# Allegro board RK3588S_Template_LP5D315P232SD10H2_42x42_2750MHz_1R2_V10_20220413YWQ.brd (continued)
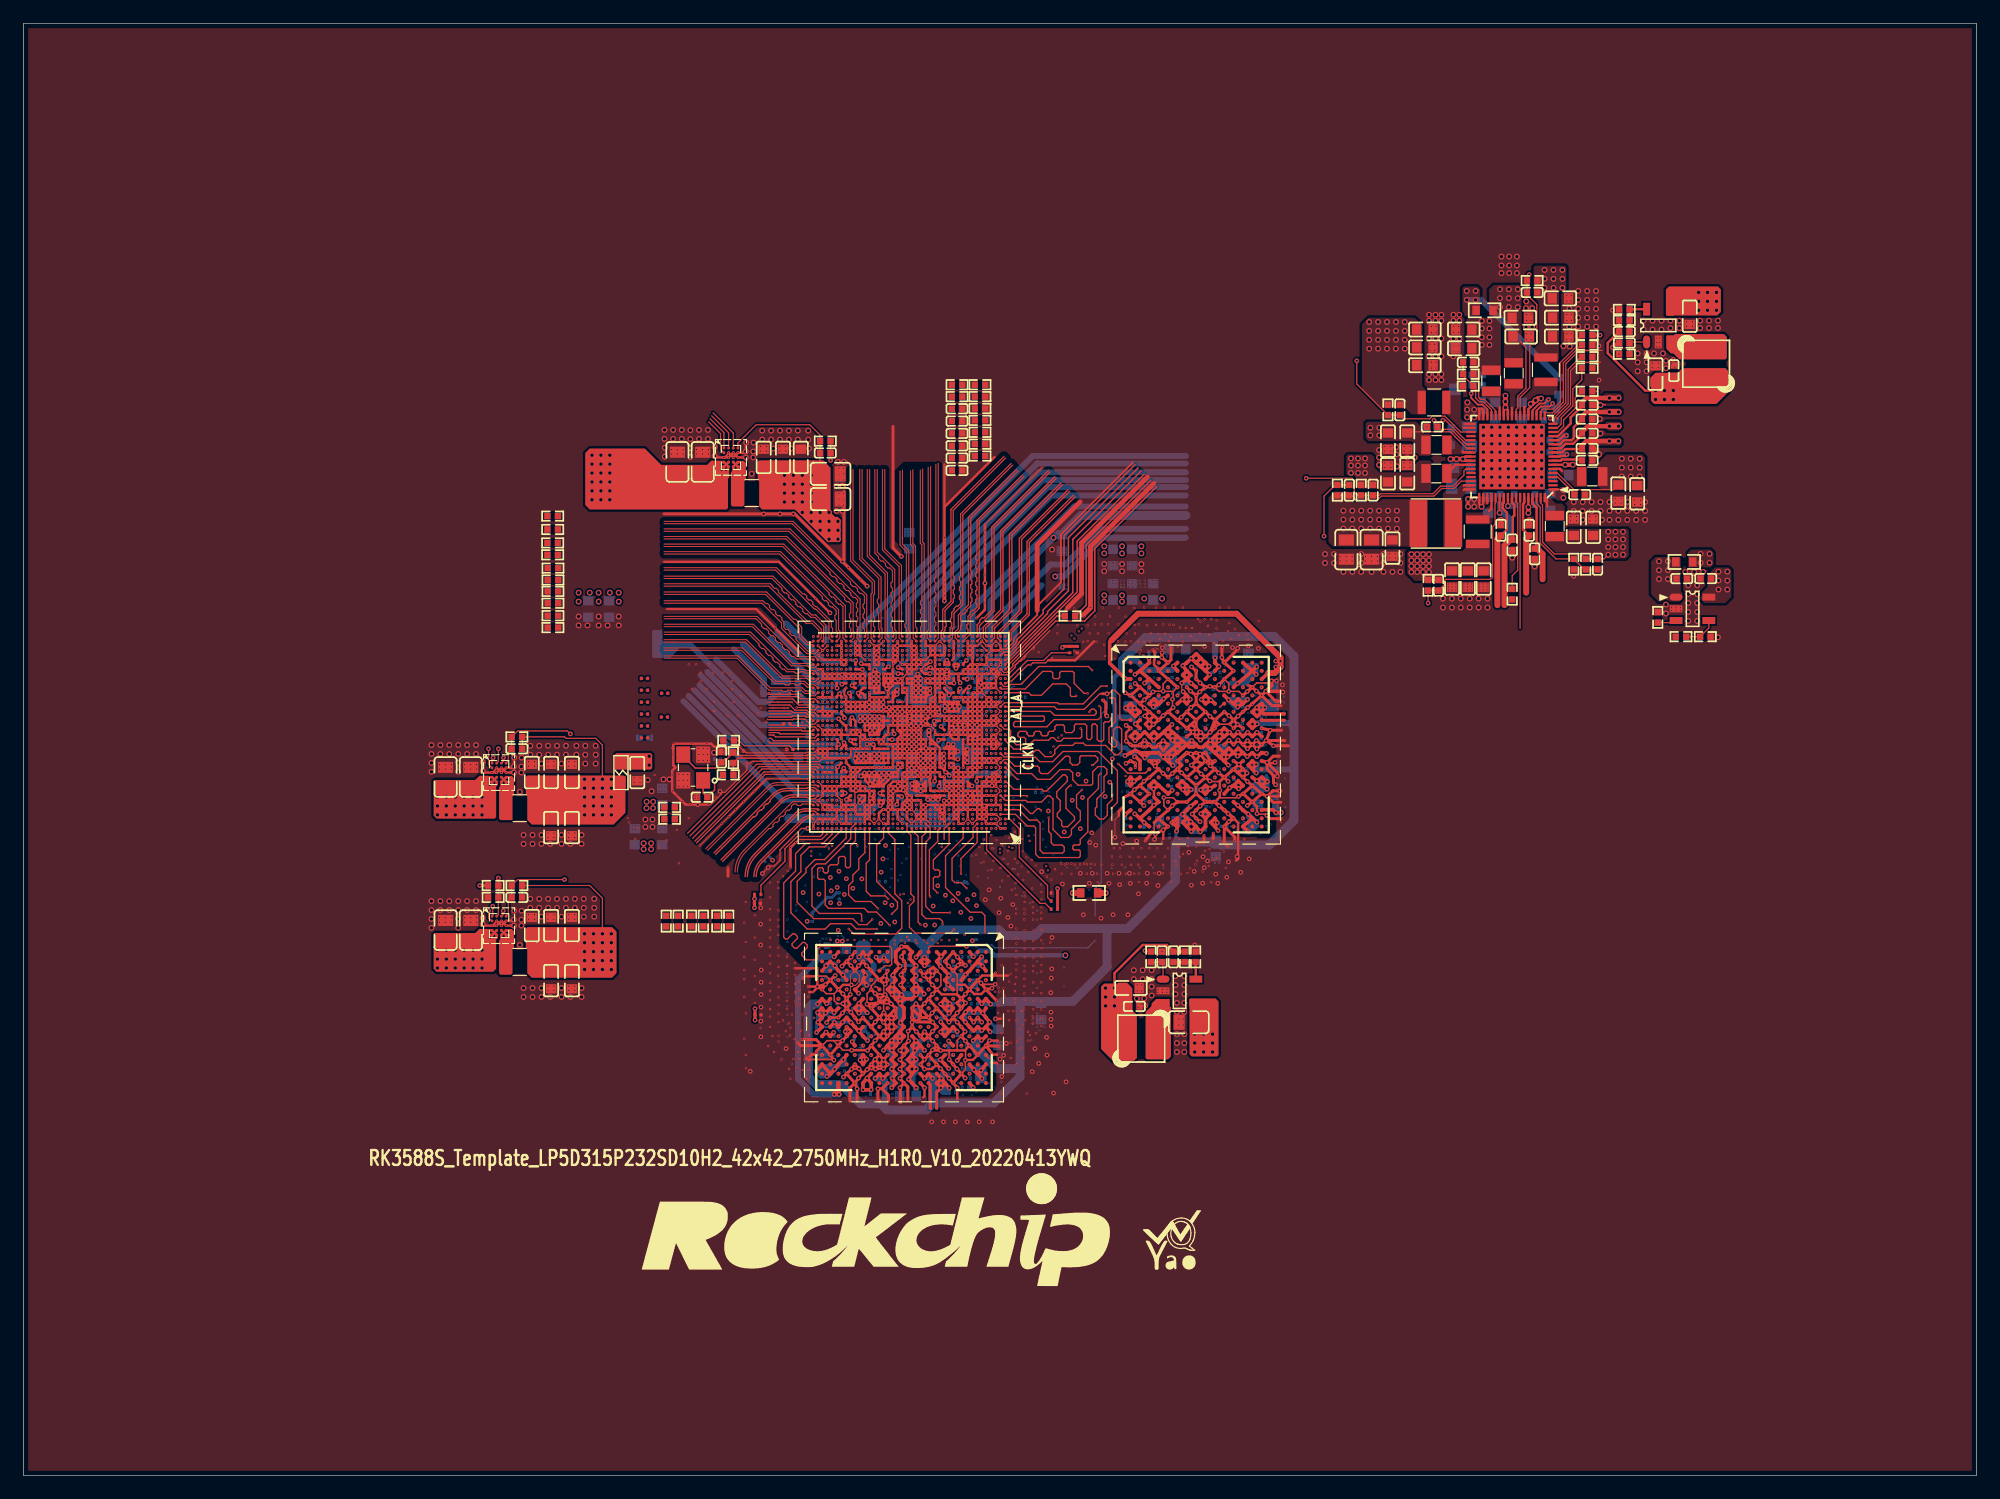
[diagram p0: board, top side]
## Routing (per net, layer and track width the routed paths; a pad name or vN(x,y) marks a point on that pad's centre or on a via; arc(x,y) is an arc through that point) (continued)
 69.89,63.33 69.89,62.95 v3(69.89,62.95) ; v3(79.89,60.1) v3(80.34,60.1) ; v3(79.89,60.1) v3(79.89,59.3) ; v3(79.89,60.1) v3(79.49,60.1) ; v3(80.34,60.1) 80.29,60.05 v3(80.29,59.7) ; v1(80.47,35.49) 80.5,35.52 81.11,35.52 v7(81.54,35.94) ; v3(80.69,63.7) v3(80.69,64.5) ; v3(80.69,63.7) v3(80.69,63.3) ; v3(80.69,63.7) v3(80.29,63.7) ; v3(81.09,57.3) v3(80.69,57.3) ; v3(81.09,57.3) v3(81.49,57.3) ; v3(80.69,57.3) v3(80.69,56.9) v3(80.69,56.1) ; v3(81.49,56.5) v3(81.49,56.9) v3(81.49,57.3) ; v3(81.49,56.5) 81.49,56.5 v3(82.69,56.5) ; v1(77.06,64.87) v1(77.06,64.47) ; v1(77.06,64.87) 77.04,64.9 U1000.AE19 ; v1(77.06,64.87) 77.09,64.9 v1(77.49,64.9) ; v1(77.06,64.47) 77.49,64.89 v1(77.49,64.9) ; v1(77.06,64.47) 77.06,64.13 v3(77.09,64.1) ; v1(77.06,64.47) 77.43,64.1 ; v1(77.06,64.47) 77.03,64.5 v7(76.69,64.5) ; v3(65.54,51.98) v3(65.54,53.66) v3(65.97,54.09) ; v1(77.49,64.9) v3(77.89,64.9) ; v1(77.49,64.9) v7(77.49,65.3) ; 76.43,59.72 v7(76.41,59.7) v7(75.89,59.7) ; 76.43,59.72 76.4,59.74 v1(76.4,60.05) ; 76.43,59.72 76.68,59.72 v7(76.69,59.7) ; v3(82.29,67.7) v3(82.29,67.3) ; v3(82.29,67.3) v3(81.55,67.3) 81.49,67.36 ; v3(71.49,60.5) 71.49,60.3 71.29,60.1 v3(71.09,60.1) ; v3(71.49,60.5) v7(71.09,60.5) ; v3(71.49,60.5) v7(71.89,60.5) v3(72.29,60.5) v3(72.69,60.5) v3(73.09,60.5) v3(73.49,60.5) v3(73.89,60.5) v3(74.29,60.5) v7(74.29,60.9) v3(74.29,61.3) ; v3(73.49,62.9) 73.49,63.1 73.7,63.3 v3(73.89,63.3) v7(73.89,64.1) v7(74.29,64.1) ; v3(73.49,62.9) v3(72.29,62.9) v3(71.89,62.9) ; v3(75.09,67.7) v3(75.09,68.1) 74.57,68.1 ; v3(75.09,67.7) v3(75.09,67.3) ; v7(68.69,68.1) v7(69.09,68.1) ; v7(68.69,68.1) v7(68.69,68.5) ; v7(68.69,68.1) v7(68.29,68.1) v7(68.29,68.5) ; v7(69.09,68.1) v3(69.49,68.1) ; v3(71.09,63.7) v3(71.49,63.7) v3(71.49,62.9) ; v3(71.09,63.7) 71.09,63.32 71.07,63.3 ; 82.23,56.16 82.3,56.23 v3(82.3,56.5) v3(82.3,56.9) ; 82.23,56.16 v1(82.23,56.13) 82.23,55.77 U1000.B5 82.29,55.7 v7(82.68,55.7) v3(83.1,55.7) ; 93.59,56.38 93.59,56.76 94.01,57.18 94.01,57.93 ; v3(75.89,63.7) v7(75.49,63.7) ; v3(75.89,63.7) 75.89,64.01 ; v3(75.89,63.7) v1(75.89,63.3) ; 82.37,57.3 82.3,57.22 v3(82.3,56.9) ; 82.37,57.3 v3(81.49,57.3) ; v3(74.69,63.7) v7(74.69,64.1) ; v3(74.69,63.7) v3(75.09,63.3) ; v3(74.69,63.7) v3(75.09,63.7) ; v7(74.69,64.1) v7(74.29,64.1) ; v7(74.69,64.1) v7(74.69,64.5) ; v3(74.29,69.7) 74.29,69.47 v3(74.37,69.39) 74.68,69.7 ; v3(74.29,69.7) 74.68,69.7 ; v7(68.29,60.1) v7(68.69,60.1) v7(69.09,60.1) ; v3(79.89,63.7) v3(80.29,63.7) ; 71.89,65.78 v1(71.68,65.99) 71.49,65.8 ; 71.89,65.78 v3(71.89,65.7) ; 71.89,65.78 71.89,66.03 71.96,66.1 ; 77.49,61.33 U1000.T17 v1(77.49,60.9) ; 77.49,61.33 v3(77.47,61.35) 77.49,61.38 v7(77.49,61.7) ; 77.49,61.33 77.52,61.3 v3(77.89,61.3) ; 77.49,61.33 77.47,61.3 v3(77.09,61.3) ; v7(83.49,59.7) 83.07,59.7 ; 83.07,59.7 v7(83.06,59.69) ; v3(81.09,69.3) 80.9,69.3 80.69,69.1 v7(80.69,68.9) ; v3(81.09,69.3) v7(81.49,69.3) ; v3(81.09,69.3) v3(81.09,69.7) v3(81.09,70.1) ; v3(81.09,69.3) v3(81.09,68.5) ; v3(73.09,66.5) v3(72.69,66.5) ; v3(73.09,66.5) v3(73.49,66.5) ; v3(73.09,66.5) v3(73.09,66.1) ; v3(72.69,66.5) v3(72.29,66.5) ; v3(72.69,66.5) v3(72.69,66.13) U1000.AH29 ; 71.89,56.06 v7(71.89,56.5) ; 71.89,56.06 v7(71.89,55.7) ; 71.89,56.06 v7(71.93,56.1) v7(72.29,56.1) v7(72.29,56.5) ; v7(71.89,56.5) 71.13,56.5 v7(71.09,56.54) v3(71.09,56.9) ; v7(71.89,56.5) v7(72.29,56.5) ; v3(78.29,68.5) v3(78.29,68.1) v7(78.29,67.7) ; v3(78.29,68.5) v3(79.49,68.5) v3(79.89,68.5) ; v3(78.29,68.5) v3(77.89,68.5) ; v3(78.29,68.5) v3(78.29,68.9) ; v7(79.89,56.5) v7(79.49,56.5) ; v7(79.89,56.5) 79.89,56.89 v7(79.88,56.9) ; v7(80.69,68.9) v7(81.15,68.9) v7(81.48,68.9) 81.49,68.88 ; v7(75.49,64.1) v7(75.49,63.7) ; v7(75.49,64.1) U1000.AD22 ; v3(71.49,65.7) v3(71.09,65.7) ; v3(71.49,65.7) 71.49,65.8 ; v3(71.49,65.7) v3(71.49,65.3) ; v3(71.49,65.7) v3(71.89,65.7) ; v3(71.09,65.7) v3(71.09,65.3) ; v3(71.09,65.7) 71.09,66.08 71.07,66.1 ; v3(81.49,58.9) 81.49,58.9 ; 81.49,58.9 82.25,58.9 ; 81.49,58.9 81.49,58.89 v3(81.49,58.5) ; v3(71.09,60.1) v3(70.69,60.1) ; v3(71.09,60.1) v7(71.09,60.5) ; v3(71.09,60.1) v3(71.09,59.7) ; v3(70.69,60.1) U1000.P34 ; v3(70.69,60.1) v3(70.69,59.7) ; v3(76.69,63.7) 76.66,63.73 v1(76.66,64.03) ; v3(82.29,62.9) v3(82.29,62.5) ; v7(77.89,60.5) v3(77.89,60.1) ; v7(77.89,60.5) v7(77.89,60.9) ; v3(77.89,60.1) v3(78.29,60.1) 78.29,59.76 78.35,59.7 v7(78.69,59.7) v3(78.69,59.3) ; v3(72.69,58.1) 72.6,58.1 v1(72.38,57.88) ; v3(72.69,58.1) v3(72.69,58.5) v3(72.29,58.5) ; v3(72.69,58.1) v3(72.69,57.7) ; v3(82.69,69.7) v7(82.36,69.7) 82.29,69.77 ; v7(75.89,61.7) 76.27,61.7 76.29,61.67 ; v7(75.89,61.7) v7(75.49,61.7) v7(75.09,61.7) ; v7(75.89,61.7) v3(75.89,61.3) ; v1(74.66,70.9) 74.69,70.94 ; v1(74.66,70.9) v7(74.29,70.9) v7(74.29,70.5) ; 74.69,70.94 v7(74.69,70.54) ; 74.69,70.94 v3(74.69,71.3) ; v7(83.49,62.5) v7(82.9,62.5) 82.87,62.53 82.86,62.53 82.84,62.5 v3(82.29,62.5) ; v7(75.09,62.1) v7(75.09,61.7) ; v7(81.09,62.5) v3(81.49,62.5) ; v7(81.09,62.5) v7(80.69,62.5) 80.69,63.22 ; v3(81.49,62.5) v3(82.29,62.5) ; v3(81.49,62.5) 81.49,63.15 ; v7(76.69,65.3) v7(76.29,65.3) ; v7(76.69,65.3) U1000.AE19 ; v7(76.69,65.3) v1(77.09,65.3) ; v7(76.69,65.3) v3(76.69,65.7) ; v7(76.29,65.3) v3(75.89,65.3) ; v7(76.29,65.3) v3(76.29,65.7) ; v3(77.89,65.7) v3(77.89,66.1) ; v3(77.89,65.7) v7(77.89,65.3) ; v3(77.89,65.7) v3(77.49,65.7) ; v3(71.49,62.1) v7(71.49,62.48) v3(71.49,62.9) ; v3(71.49,62.1) v3(71.09,62.1) v7(70.72,62.1) U1000.V34 ; v3(71.49,62.1) v3(72.29,62.1) ; v3(72.69,57.7) 72.55,57.7 v1(72.38,57.88) ; v1(79.1,57.66) 79.1,58.09 ; 82.63,68.5 v7(82.69,68.5) v7(83.09,68.5) ; 82.63,68.5 82.69,68.57 v7(82.69,68.9) v7(83.09,68.9) v7(83.09,68.5) ; v3(76.69,62.5) v1(76.29,62.5) ; v3(75.89,68.9) v3(75.49,68.9) ; v3(75.89,68.9) v3(76.29,68.9) v3(76.29,69.3) ; 75.89,64.01 v3(75.89,65.3) ; v3(71.09,65.3) v3(71.49,65.3) ; v7(75.89,70.5) v7(76.29,70.5) ; v7(75.89,70.5) v7(75.89,70.1) ; v3(69.49,68.1) v3(70.29,68.1) ; v3(70.29,68.1) v7(70.29,68.5) ; v1(73.96,65.63) 73.96,65.37 v7(73.89,65.3) ; v1(73.96,65.63) 74.23,65.63 v3(74.29,65.7) ; v1(73.96,65.63) 73.53,65.63 v1(73.51,65.66) ; v7(74.29,70.5) 74.66,70.5 v7(74.69,70.54) ; v7(82.29,70.9) v7(82.69,70.9) v3(82.69,70.5) v7(83.09,70.5) 83.1,70.51 v7(83.49,70.51) v7(83.49,70.9) ; v1(76.29,62.5) v1(76.29,62.9) ; v1(76.29,62.5) v1(75.89,62.5) ; v7(75.49,62.5) v7(75.49,62.9) ; v7(75.49,62.5) v1(75.89,62.5) ; v7(68.69,57.3) v7(68.69,56.9) ; v7(68.69,57.3) v7(69.09,57.3) v3(69.09,56.9) ; v7(68.69,57.3) v7(68.29,57.3) v7(68.29,56.9) v7(68.69,56.9) ; v7(68.69,56.9) v3(69.09,56.9) ; 79.78,41.94 80.44,41.94 v7(80.84,41.54) 81.23,41.15 81.85,41.15 v3(82.24,41.54) ; v7(68.69,65.3) v7(68.69,64.9) ; v7(83.06,59.69) 83.06,59.33 v7(83.09,59.3) 83.09,58.9 U1000.K3 ; v7(75.49,62.9) v7(75.49,63.3) ; v7(75.49,62.9) v7(75.09,62.9) ; v7(75.49,62.9) v1(76.29,62.9) ; v7(81.09,66.1) v3(81.09,66.5) ; v7(81.09,66.1) 80.74,66.1 v7(80.69,66.15) ; v3(79.89,64.9) v3(79.49,64.9) ; v7(82.69,66.1) v7(83.49,66.1) ; v7(82.69,66.1) 82.69,66.49 v3(82.69,66.5) v3(82.29,66.5) ; v7(82.69,66.1) v7(82.29,66.1) ; v7(82.69,66.1) v7(82.69,65.7) ; v7(79.88,57.28) v7(79.88,56.9) ; v3(79.38,69.67) 79.49,69.79 v7(79.49,70.1) v7(79.49,70.5) v7(79.49,70.9) v7(79.49,71.3) ; v7(76.69,56.1) v7(76.69,55.7) ; v7(76.69,56.1) v3(76.29,56.1) 76.29,56.42 76.37,56.5 v7(76.69,56.5) ; v7(76.69,56.1) v7(76.69,56.5) ; v7(76.69,56.1) v7(77.09,56.1) v7(77.09,56.5) ; v3(81.89,63.7) v3(81.49,63.7) ; v3(81.89,63.7) v7(81.89,64.1) ; v3(81.49,63.7) v3(81.49,63.3) ; v3(81.49,63.7) 81.49,64.18 ; v7(70.69,66.1) 71.07,66.1 ; v7(70.69,66.1) v7(70.29,66.1) ; 71.07,66.1 v7(71.09,66.1) 71.45,66.1 ; v7(82.29,66.1) U1000.AJ5 ; v7(82.29,66.1) v7(82.29,65.7) ; v7(82.29,66.1) v3(81.86,66.1) ; v7(105,57.56) 105.4,57.16 v1(105.4,56.56) ; v3(81.49,57.3) v3(81.49,58.5) ; v7(75.49,63.3) v1(75.89,63.3) ; v7(75.49,63.3) v7(75.49,63.7) ; v7(75.49,63.3) v3(75.09,63.3) ; v3(74.29,61.3) v3(74.29,61.7) ; v7(81.09,70.5) v7(80.69,70.5) ; v7(81.09,70.5) v3(81.09,70.1) ; v7(81.09,70.5) v7(81.09,70.9) ; v7(80.69,70.5) v3(80.69,70.1) v3(81.09,70.1) ; v7(74.69,70.15) v7(74.69,70.54) ; v7(74.69,70.15) v3(74.69,69.7) 74.68,69.7 ; v3(74.69,62.9) v7(75.09,62.9) ; v3(74.69,62.9) 74.69,62.98 75.01,63.3 v3(75.09,63.3) ; v7(75.09,62.9) v3(75.09,63.3) ; v3(76.29,69.3) v7(76.29,70.1) ; v3(76.29,69.3) v7(76.69,69.3) v7(76.69,69.7) ; v7(76.29,70.1) v7(75.89,70.1) ; v7(76.29,70.1) v7(76.29,70.5) ; v3(77.09,71.3) v3(77.09,70.9) v7(77.49,70.9) ; v7(74.29,64.1) v7(74.29,64.5) ; v7(71.09,68.5) v3(71.09,68.1) ; v7(71.09,68.5) v3(71.49,68.5) ; v3(80.29,66.5) v7(80.29,66.1) 80.64,66.1 v7(80.69,66.15) ; v3(80.29,66.5) v3(79.89,66.5) v3(79.49,66.5) ; v3(80.29,66.5) v3(80.69,66.5) ; 55.45,62.15 55.52,62.15 ; 55.52,62.15 v3(55.52,61.65) 55.52,60.68 55.7,60.5 55.43,60.23 v3(55.43,59.87) v3(55.43,58.49) v3(55.83,58.09) v3(56.34,57.58) 56.59,57.33 v3(56.97,57.33) v1(57.61,57.33) v3(58.5,57.33) ; 55.52,62.15 55.52,62.43 v3(55.63,62.53) v3(57.1,62.53) v3(58.37,62.53) 58.75,62.53 59,62.28 v3(59.45,62.28) ; v3(73.09,66.1) 73.42,66.1 v1(73.46,66.07) 73.51,66.01 v1(73.51,65.66) ; v3(73.09,66.1) U1000.AH29 ; v3(66.61,42.46) 66.81,42.66 v3(67.82,42.66) ; v7(68.29,66.5) v7(67.89,66.5) ; v7(68.29,66.5) v7(68.69,66.5) v7(69.09,66.5) v3(69.09,66.9) ; v7(68.29,66.5) v7(68.29,66.9) ; v7(72.69,70.1) v7(72.69,69.7) ; v3(81.09,66.5) v3(80.69,66.5) ; v3(75.89,65.7) v3(76.29,65.7) ; v3(75.89,65.7) v3(75.49,65.7) ; v3(75.89,65.7) v3(75.89,65.3) ; v3(76.29,65.7) v3(76.69,65.7) ; v3(81.09,64.5) v3(81.89,64.5) ; v3(81.09,64.5) v3(80.69,64.5) ; v3(81.09,64.5) v3(81.09,64.9) v3(81.09,65.3) ; v3(81.89,64.5) v3(82.29,64.5) ; v3(81.89,64.5) v7(81.89,64.1) ; v3(81.89,64.5) v7(81.89,64.9) ; v3(82.29,64.5) 82.31,64.52 v7(82.68,64.52) ; v7(70.29,66.1) v7(70.29,66.5) ; v7(70.29,66.1) v3(69.89,66.1) ; v7(72.29,66.9) v3(72.29,66.5) ; v3(72.29,66.5) v7(72.29,65.3) ; v3(77.09,61.3) v7(77.09,61.7) ; v3(75.49,57.7) v3(75.89,57.7) ; v3(75.49,57.7) v3(75.49,56.5) v7(75.49,56.1) ; v7(83.09,64.5) 83.09,64.91 v3(83.08,64.92) 82.73,64.92 v7(82.69,64.89) 82.68,64.87 v7(82.68,64.52) ; v7(83.09,64.5) 83.08,64.52 v7(82.68,64.52) ; v7(83.09,64.5) v7(83.49,64.5) ; v7(78.69,56.1) v7(78.69,56.5) ; v7(78.69,56.1) v7(78.69,55.7) ; v7(78.69,56.1) v7(78.29,56.1) v3(78.29,56.5) ; v7(78.69,56.5) v3(78.29,56.5) ; v7(78.69,56.5) 78.69,56.64 ; v7(81.49,69.3) v3(81.89,69.3) U1000.AT5 82.29,69.77 ; v7(81.49,69.3) 81.49,68.88 ; v3(74.29,61.7) v7(74.29,62.1) ; U1000.AE19 v7(76.69,64.5) ; 81.49,63.15 v3(81.49,63.3) ; v3(81.49,63.3) v3(81.09,63.3) ; 106.31,60.88 106.88,60.88 v1(106.93,60.94) ; v7(77.09,61.7) v7(77.49,61.7) ; v7(77.09,61.7) U1000.U20 ; v7(77.09,61.7) 77.11,61.72 v1(77.11,62.13) ; v3(78.69,58.9) v3(78.69,59.3) ; v3(78.69,58.9) v3(78.69,58.5) ; v7(77.49,70.9) v7(77.89,70.9) v7(77.89,70.5) ; v7(77.49,70.9) v7(77.49,70.5) ; U1000.AM27 73.49,68.1 ; v7(77.89,61.7) v3(77.89,62.1) v7(77.49,62.1) ; v7(77.89,61.7) 77.89,61.31 v3(77.89,61.3) ; v7(77.89,61.7) v7(77.49,61.7) ; v7(68.69,58.9) v7(68.29,58.9) v7(68.29,58.5) ; v7(68.69,58.9) v7(68.69,58.5) ; v7(72.69,65.7) 72.3,65.7 v1(72.26,65.66) ; v7(72.69,65.7) v7(72.69,65.3) ; v7(72.69,65.7) U1000.AH29 ; v2(61.75,88.27) 61.72,88.24 v2(61.72,87.5) 61.61,87.4 v3(61.05,87.4) U2302.B4 v3(60.65,87) U2302.B2 v3(60.25,87.4) ; v1(76.99,34.74) 77.64,34.74 v3(78.04,35.14) ; v3(76.69,57.3) v3(76.69,57.67) 76.67,57.7 v3(76.29,57.7) v3(75.89,57.7) ; v3(76.69,57.3) v3(77.89,57.3) ; v1(75.89,62.5) v1(75.89,62.9) v1(75.89,63.3) ; v3(77.09,64.1) 76.72,64.1 76.69,64.07 ; v3(77.09,64.1) 77.43,64.1 ; v3(71.49,62.9) v3(71.89,62.9) ; 74.57,68.1 74.6,68.07 74.68,68.07 v1(74.73,68.02) ; v3(71.09,59.3) v3(71.09,59.7) ; v3(71.09,59.3) v3(70.69,59.3) ; 74.29,58.44 v3(74.29,58.1) ; 74.29,58.44 v1(74.32,58.47) 74.35,58.5 ; 74.29,58.44 v3(74.29,58.9) ; v3(74.29,58.1) 73.9,58.1 v7(73.89,58.09) ; v3(74.29,58.1) v3(74.29,57.7) ; U1000.J24 74.35,58.5 ; v7(73.89,58.5) v7(73.89,58.09) ; v7(73.89,58.5) 74.35,58.5 ; v7(73.89,58.5) v7(73.89,58.9) ; v7(73.89,58.09) v3(73.89,57.7) ; v3(78.69,58.5) 79.09,58.5 79.1,58.51 ; v7(77.89,60.9) 77.89,61.3 v3(77.89,61.3) ; v7(77.89,60.9) v1(77.49,60.9) ; v7(76.69,56.5) v7(77.09,56.5) ; v3(69.89,57.3) v3(69.89,57.7) ; v3(69.89,57.3) v3(70.29,57.3) ; U1000.U20 76.29,61.67 ; 76.29,61.67 v7(76.29,61.65) v3(76.29,61.3) ; v7(68.29,68.5) v7(68.69,68.5) ; v7(68.29,68.5) U1000.AR40 U1000.AR41 ; v1(80.42,64.11) 80.29,63.99 v3(80.29,63.7) ; v1(80.42,64.11) 80.37,64.16 ; v1(80.42,64.11) 80.46,64.15 v1(81.06,64.15) ; v3(81.49,58.5) v3(81.89,58.5) ; v3(81.49,58.5) v3(81.09,58.5) ; v1(72.38,57.88) 72.29,57.96 v3(72.29,58.5) ; v7(76.69,64.5) 76.69,64.07 ; v7(75.09,59.7) v7(75.49,59.7) ; v7(75.09,59.7) 75.09,59.98 75.21,60.1 v7(75.49,60.1) ; v7(75.49,59.7) v7(75.49,60.1) ; v7(75.49,59.7) v7(75.89,59.7) ; v7(75.49,60.1) v7(75.89,60.1) ; 71.45,66.1 71.96,66.1 ; 71.45,66.1 71.49,66.06 71.49,65.8 ; 71.96,66.1 U1000.AH29 ; v7(80.84,36.74) 80.43,36.33 v1(78.37,36.33) ; v7(77.49,61.7) v7(77.49,62.1) ; v7(94.6,63.86) 94.21,63.47 94.21,62.78 v1(94.23,62.75) ; 82.82,42.72 82.67,42.72 ; 82.82,42.72 84.12,42.72 ; 82.82,42.72 v3(83.06,42.97) ; 82.67,42.72 v3(82.81,42.58) ; 82.67,42.72 81.92,42.72 v7(81.54,42.34) ; v3(81.89,65.7) 81.89,66.07 v3(81.86,66.1) ; v3(81.89,65.7) v7(82.29,65.7) ; v3(81.89,65.7) v7(81.89,64.9) ; v3(75.09,63.3) v3(75.09,63.7) ; v1(59.51,58.47) 59.6,58.38 ; 75.49,65.26 v3(75.54,65.3) v3(75.89,65.3) ; 75.49,65.26 v3(75.49,65.7) ; 80.69,63.22 v3(80.69,63.3) ; v7(77.49,62.1) 77.14,62.1 v1(77.11,62.13) ; v3(77.09,65.7) v1(77.09,65.3) ; v3(77.09,65.7) v3(77.49,65.7) ; v3(77.09,65.7) v3(76.69,65.7) ; v1(77.09,65.3) v7(77.49,65.3) ; v3(78.69,64.9) v3(77.89,64.9) ; v3(78.69,64.9) v7(78.69,64.5) v3(79.09,64.5) ; v3(78.69,64.9) v3(79.09,64.9) ; v3(77.89,64.9) v7(77.89,65.3) ; v7(83.09,68.5) U1000.AP2 ; v3(82.17,81.28) 82.15,81.26 v3(82.15,80.77) v3(82.15,80.39) v3(82.15,80.14) v3(82.15,79.76) v3(82.15,79.38) v3(82.15,78.74) v3(82.15,78.36) v3(82.15,77.72) v3(82.15,76.96) v1(82.15,76.25) v3(82.15,75.11) v3(82.15,74.55) 82.15,73.98 v3(81.43,73.26) ; v7(81.89,64.1) 81.52,64.1 v1(81.46,64.15) ; v2(41.91,47.5) 41.8,47.39 v3(41.24,47.39) v3(40.84,46.99) v3(40.44,47.39) ; v7(76.69,59.7) 76.71,59.72 v3(76.71,60.12) ; v7(76.69,59.7) v7(77.09,59.7) ; v7(76.69,59.7) 76.71,59.68 v3(76.71,59.39) ; v3(69.09,56.9) v3(69.49,56.9) ; v7(101.8,57.56) 102.22,57.98 v1(102.22,58.55) 102.22,59.33 ; 82.25,58.9 v3(83.09,58.9) ; v1(81.06,64.15) v1(81.46,64.15) ; v1(75.9,60.45) 75.89,60.45 v7(75.89,60.1) ; v3(75.49,65.7) v7(75.49,66.9) ; v3(75.49,65.7) v3(75.09,65.7) ; v3(77.49,68.1) v7(77.09,68.1) v7(77.09,67.7) v3(77.49,67.7) ; v3(77.49,68.1) v3(78.69,68.1) ; v3(77.49,68.1) v3(77.49,67.7) ; v3(75.09,67.3) v7(75.49,67.3) v7(75.49,66.9) ; v3(75.09,67.3) 75.09,66.9 v7(75.49,66.9) ; v3(81.49,61.3) 81.5,61.29 v7(83.5,61.29) ; U1000.AD22 U1000.AE22 ; U1000.AD22 75.71,64.5 v1(75.74,64.47) ; v7(69.49,56.1) v7(69.04,56.1) ; v7(69.49,56.1) v3(69.49,56.48) 69.49,56.9 v3(69.49,56.9) ; v7(69.49,56.1) U1000.C37 ; v7(69.04,56.1) 69.09,56.05 v3(69.09,55.7) ; v3(81.89,57.7) 81.89,57.7 v7(81.89,59.31) ; v3(75.89,57.3) v3(75.89,57.7) ; v3(75.89,57.3) v3(75.89,56.9) v3(75.09,56.9) ; v3(70.29,57.3) v3(70.69,57.3) v3(71.09,57.3) v3(71.09,56.9) ; v3(70.29,57.3) v7(70.29,56.9) ; v3(81.09,63.3) v3(80.69,63.3) ; v1(76.66,64.03) 76.64,64.05 v1(76.26,64.05) ; v1(76.66,64.03) 76.69,64.07 ; v7(73.89,65.3) v3(73.89,64.9) v3(74.29,64.9) ; v7(74.22,57.33) 74.22,57.63 v3(74.29,57.7) ; v1(135.76,96.39) 136.14,96.77 C2329.2 ; v1(75.18,58.57) 75.09,58.66 v7(75.09,58.9) ; v3(79.09,64.9) v3(79.49,64.9) ; v3(79.09,64.9) v3(79.09,64.5) ; v3(79.49,64.9) v3(79.49,64.5) ; 54.74,78.07 64.55,78.07 v7(67.69,74.93) v1(68.91,73.71) ; v3(80.29,59.7) v3(79.49,59.7) ; v7(75.09,58.9) v7(75.49,58.9) ; v7(75.09,58.9) v3(74.29,58.9) ; v3(77.49,66.1) v3(77.89,66.1) ; v3(77.49,66.1) v3(77.49,65.7) ; v3(74.29,64.9) v7(74.29,64.5) ; v7(77.89,70.5) v7(77.49,70.5) ; v1(71.15,58.53) 71.12,58.5 v3(70.69,58.5) v3(70.69,58.9) ; v1(81.46,64.15) 81.49,64.18 ; 71.07,63.3 v3(71.89,63.3) v3(71.89,62.9) ; v7(71.09,60.5) U1000.P34 ; v3(71.09,56.9) v3(70.69,56.9) v7(70.29,56.9) ; v7(77.09,69.7) v7(76.69,69.7) ; v7(76.69,69.7) v7(75.89,69.7) ; v3(75.89,61.3) v3(76.29,61.3) ; v7(75.89,59.7) v7(75.89,60.1) ; v3(76.71,60.12) 76.73,60.1 v3(77.09,60.1) ; v3(76.71,60.12) 76.63,60.05 v1(76.4,60.05) ; v2(41.91,46.99) v3(41.24,46.99) v3(40.84,47.39) v3(40.44,46.99) v3(40.04,46.99) 39.37,46.99 v2(39.24,47.12) ; v1(72.26,65.66) v1(72.26,66.07) ; v1(72.26,65.66) 72.22,65.7 v3(71.89,65.7) ; v2(59.05,87.12) 59.18,87 v3(59.85,87) v3(60.25,87) v3(60.65,87.39) v3(61.05,87) v2(61.72,87) ; v7(81.09,70.9) v7(81.49,70.9) ; U1000.AU4 v7(83.49,69.7) v3(83.49,69.3) ; v3(78.69,68.1) v3(78.69,67.7) v7(78.29,67.7) ; v7(80.69,66.15) v3(80.69,66.5) ; v3(79.49,64.5) v3(79.09,64.5) ; v3(77.49,65.7) v7(77.49,65.3) ; v3(75.09,65.7) 75.09,65.26 v1(75.08,65.25) ; v3(80.69,63.3) v3(80.29,63.3) ; 79.09,64.06 79.09,63.73 v3(79.13,63.7) ; 79.09,64.06 v3(79.09,64.5) ; v3(80.29,63.7) v3(80.29,63.3) ; v7(78.29,67.7) v3(77.89,67.7) ; v7(78.29,67.7) v7(78.29,67.3) v7(77.89,67.3) ; v3(70.29,59.3) v3(70.69,59.3) ; v3(70.29,59.3) v3(70.29,59.7) ; v3(70.29,59.3) v3(70.29,58.9) ; v3(70.69,58.9) v3(70.29,58.9) ; v3(70.69,58.9) v3(70.69,59.3) ; v3(71.49,65.3) v7(71.89,65.3) ; 83.49,39.02 83.48,39.03 v1(83.05,39.03) ; v1(79.13,58.54) 79.1,58.51 ; v7(77.89,65.3) v7(77.49,65.3) ; v7(77.09,60.5) v3(77.09,60.1) ; v3(77.09,60.1) v7(77.09,59.7) ; v3(74.29,62.43) 74.29,62.43 v7(74.29,62.1) ; 78.29,56.6 v3(78.29,56.5) ; v3(67.82,42.66) v3(67.82,43.35) 65.92,43.35 v3(65.9,43.36) ; v7(75.89,69.7) v7(75.89,70.1) ; v3(68.29,58.1) v7(68.29,58.5) ; v3(70.69,59.7) v3(70.29,59.7) ; v3(70.69,59.7) v3(71.09,59.7) ; v3(70.69,59.7) v3(70.69,59.3) ; v7(75.49,63.7) v3(75.09,63.7) ; 79.1,58.09 79.1,58.51 ; v3(61.47,61.82) 61.53,61.88 61.53,61.99 ; 70.02,68.5 v7(70.29,68.5) ; v7(77.89,67.3) v3(77.89,67.7) ; v3(69.49,58.47) 69.49,58.87 v3(69.47,58.9) v3(69.92,58.9) ; v3(69.49,58.47) v3(69.49,58.1) ; v3(100.2,58.26) 100.17,58.28 100.17,58.93 v3(100.2,58.96) ; v7(78.69,80.14) 78.69,82.75 ; 78.69,82.75 78.69,86.41 ; 78.69,82.75 82.97,87.04 ; v1(79.79,33.14) 79.79,32.2 79.77,32.18 ; v7(74.69,64.5) v7(74.29,64.5) ; v3(72.29,58.5) v7(71.89,58.5) ; v3(82.29,70.1) 82.29,69.77 ; v7(72.69,65.3) v7(72.29,65.3) ; v7(72.29,65.3) v7(71.89,65.3) ; v3(77.89,68.5) v3(77.89,67.7) ; v1(97.39,55.18) 97.39,54.4 97.38,54.4 ; v3(40.44,60.47) 40.44,60.47 v3(40.84,60.07) v3(41.24,60.47) 41.8,60.47 v2(41.91,60.58) 41.91,61.32 v2(41.94,61.34) ; v7(82.29,65.7) v7(82.69,65.7) ; v3(69.92,58.9) U1000.K36 ; v3(69.92,58.9) v3(70.29,58.9) ; v7(71.89,65.3) v3(71.89,65.7) ; v3(96.89,69.02) 96.86,69.05 96.83,69.05 96.6,69.28 96.6,69.63 96.61,69.64 96.61,69.66 96.65,69.69 96.65,70.4 ; 83.2,35.2 83.14,35.26 v3(82.74,35.26) ; v3(82.81,35.97) 83.18,35.97 83.2,35.95 ; v1(76.4,60.05) 76.35,60.1 ; 76.35,60.1 v7(75.89,60.1) ; v7(75.09,61.7) v7(75.09,61.3) ; v3(75.24,43.94) 75.36,43.81 75.36,43.26 v3(75.24,43.14) ; v3(77.49,64.1) 77.43,64.1 ; v3(77.89,67.7) v3(77.49,67.7) ; v1(107.06,67.91) v1(106.64,67.91) ; v7(73.89,58.9) v3(74.29,58.9) ; v7(83.09,66.1) v7(83.09,65.7) v7(82.69,65.7) ; v2(39.24,60.2) 39.37,60.07 v3(40.04,60.07) v3(40.44,60.07) v3(40.84,60.47) v3(41.24,60.07) v2(41.91,60.07) ; v3(67.49,55.7) v7(67.49,55.3) ; v1(106.27,58.03) 107.23,58.03 107.32,58.12 ; v7(82.3,61.3) v3(82.3,60.9) ; v3(68.94,39.14) v3(69.64,39.14)
  TOP w0.254: v7(77.34,40.74) v1(76.99,40.34) v3(76.64,39.94) ; v7(77.34,40.74) v1(77.69,41.14) v3(78.04,41.54) v1(77.66,41.93) v3(77.34,42.34) ; v7(77.34,40.74) v3(78.04,39.94) ; v3(73.01,40.38) v3(73.84,40.74) ; v3(73.01,40.38) v7(72.44,39.94) ; v3(73.01,40.38) v1(72.08,40.28) v7(72.44,39.94) ; v3(73.01,40.38) v7(73.14,40.74) ; v3(73.84,40.74) v1(73.63,41.09) v7(73.14,40.74) ; v3(73.84,40.74) v1(74.14,40.31) v7(74.54,39.94) ; v7(104.2,59.66) v1(104.58,59.3) v7(105,58.96) ; v7(104.2,59.66) 103.74,60.05 ; v7(104.2,59.66) v1(104.54,60.02) v7(104.2,60.36) ; v3(105,62.46) v1(104.58,62.79) v7(104.2,62.46) ; v3(105,62.46) v1(105.34,62.81) v3(105.8,62.46) ; v3(105,62.46) v1(105.39,62.08) v3(105.8,62.46) ; v3(105,62.46) v1(104.58,62.11) v7(104.2,62.46) ; v1(72.09,76) v7(71.5,76.58) v7(70.48,77.6) v1(69.98,78.11) ; v7(96.2,64.56) v1(95.82,64.9) v7(96.2,65.26) ; v7(96.2,64.56) 96.6,64.91 ; v7(96.2,64.56) v1(96.54,64.18) ; v7(96.2,64.56) 95.85,64.21 v7(96.2,63.86) v1(96.54,64.18) ; v3(77.34,39.14) v7(76.64,39.14) ; v3(77.34,39.14) v1(77.64,39.53) v3(78.04,39.94) ; v3(77.34,39.14) v3(76.64,39.94) ; v3(77.34,39.14) v1(77.69,38.74) ; v7(76.64,39.14) v3(76.64,39.94) ; v7(76.64,39.14) U3901.K7 ; v7(76.64,39.14) v3(76.33,38.77) ; v7(97.8,69.46) 98.04,69.7 98.04,70.74 ; v7(97.8,69.46) v1(97.26,69.9) 97.26,70.27 v1(97.3,70.31) ; v7(97.8,69.46) v7(97,68.76) ; v3(105,67.36) v1(105.34,67.03) v3(105.8,66.66) ; v3(105,67.36) v3(104.62,67.53) ; v3(105,67.36) v1(104.56,66.99) v7(104.2,66.66) ; v3(70.34,40.74) v1(70.01,41.17) v7(69.64,41.54) v7(68.94,42.34) ; v3(70.34,40.74) v1(70.02,40.33) v3(70.34,39.94) ; v3(70.34,40.74) v1(70.65,41.11) ; v3(70.34,40.74) 70.61,40.26 v3(70.34,39.94) ; v3(75.24,35.94) 75.56,36.32 v3(75.24,36.74) ; v3(75.24,35.94) v1(74.89,36.34) v3(75.24,36.74) ; v3(75.24,35.94) v1(74.89,35.54) v3(75.24,35.14) v1(74.89,34.74) v3(75.24,34.34) v1(74.89,33.94) v7(75.24,33.54) ; v3(100.2,66.66) v7(100.2,65.96) ; v3(100.2,66.66) v1(100.51,66.97) v3(101,67.36) ; v3(100.2,66.66) v1(99.72,67.03) v3(99.4,67.36) ; v7(100.2,65.96) v7(101,65.26) ; v7(100.2,65.96) v1(99.75,65.63) v7(99.4,65.26) ; v7(103.4,64.56) 103.06,64.2 ; v7(103.4,64.56) v1(103.74,64.18) ; v7(103.4,64.56) v1(103.78,64.89) v7(104.2,65.26) v1(104.6,65.63) U3900.F14 v3(105.8,66.66) ; v7(103.4,64.56) 103.04,64.92 v1(103,64.92) v7(102.6,65.26) v7(101.8,64.56) ; v1(72.77,35.56) v3(73.14,35.14) ; v1(72.77,35.56) v3(73.14,35.94) ; v1(72.77,35.56) v3(72.44,35.14) ; v3(73.14,35.14) v1(72.8,34.73) v3(72.44,35.14) ; v3(73.14,35.14) v1(73.49,35.52) ; v3(73.14,35.14) v1(73.49,34.76) v3(73.84,35.14) v1(73.49,35.52) ; v3(76.64,39.94) v1(76.26,40.31) U3901.K7 ; v1(73.49,38.73) v3(73.84,39.14) ; v1(73.49,38.73) v7(73.14,39.14) ; v1(73.49,38.73) v3(73.84,38.34) ; v3(73.84,39.14) v1(74.18,38.76) ; v3(73.84,39.14) 74.04,39.37 ; v3(73.84,39.14) v1(73.52,39.56) v7(73.14,39.14) ; v7(98.6,67.36) v7(97.8,68.06) v7(97,68.76) ; v3(79.44,39.14) v1(79.79,38.74) v7(80.14,38.34) v1(80.46,37.94) v3(80.14,37.54) v1(80.49,37.14) v7(80.84,36.74) v7(81.54,35.94) v7(82.24,36.74) ; v3(79.44,39.14) v1(79.09,38.74) v3(78.74,39.14) v3(78.04,39.94) ; v3(79.44,39.14) v1(79.78,39.53) v3(80.14,39.94) ; v1(74.18,37.96) v3(73.84,38.34) ; v1(74.18,37.96) v3(73.84,37.54) ; v1(74.18,37.96) v3(74.54,38.34) v1(74.18,38.76) ; v3(73.84,38.34) v1(74.18,38.76) ; v3(73.84,38.34) v1(73.5,37.93) ; v1(77.69,38.74) v7(78.04,38.34) v1(77.68,37.96) v7(77.34,37.54) ; v1(77.69,38.74) v3(76.33,38.77) ; v7(68.94,35.94) v1(69.25,35.5) ; v7(68.94,35.94) U3901.Y11 v1(69.99,37.16) v7(70.34,37.54) ; v7(68.94,35.94) U3901.AB11 ; 103.74,60.05 v7(103.4,60.36) ; 103.74,60.05 v7(104.2,60.36) ; v3(105.8,62.46) v1(106.18,62.81) ; v7(99.4,65.26) v7(100.2,64.56) ; v7(99.4,65.26) v1(98.93,64.8) v7(98.6,64.56) ; v7(100.2,64.56) v7(101,65.26) ; v7(100.2,64.56) v3(100.2,63.86) ; v7(100.2,64.56) 99.77,64.18 ; v1(92.56,64.9) 92.48,64.99 92.48,66.02 v3(92.24,66.25) ; v3(73.14,35.94) v1(73.49,35.52) ; v3(73.14,35.94) v7(72.44,36.74) ; v1(106.25,56.41) 106.52,56.13 107.44,56.13 ; v7(73.14,37.54) v3(72.44,38.34) ; v7(73.14,37.54) 73.53,37.21 v3(73.84,37.54) ; v7(73.14,37.54) v1(73.5,37.93) ; v7(73.14,37.54) v1(72.77,37.16) v7(72.44,36.74) ; v3(72.44,38.34) v3(71.74,39.14) v1(71.36,38.77) v7(71.04,39.14) v1(70.7,39.59) v3(70.34,39.94) ; v3(72.44,38.34) v1(72.77,38.76) v7(73.14,39.14) ; v1(68.53,41.96) v7(68.94,42.34) ; v1(68.53,41.96) v1(67.83,41.78) v3(68.24,41.54) v1(68.53,41.96) ; v7(68.94,42.34) v1(69.36,42.73) ; v1(75.62,37.13) v3(75.24,36.74) ; v7(94.6,58.26) v1(94.93,58.61) v7(95.4,58.96) ; v7(94.6,58.26) v7(95.4,57.56) ; v7(94.6,58.26) 94.01,57.93 ; v3(80.14,39.94) v1(80.49,40.39) v3(80.14,40.74) ; v3(80.14,39.94) 79.76,40.39 v3(80.14,40.74) ; v7(101,65.26) v1(101.39,64.87) v7(101.8,64.56) ; v7(74.54,39.14) 74.04,39.37 ; v7(74.54,39.14) v7(74.54,39.94) ; v7(74.54,39.14) v1(74.18,38.76) ; 74.04,39.37 v7(74.54,39.94) ; v1(101.42,60.65) v3(101.8,61.06) v3(101.45,61.04) ; v1(101.42,60.65) v3(101.8,60.36) ; v1(101.42,60.65) v3(101.19,60.86) v3(101,61.06) ; 54.74,82.17 v1(63.25,82.17) v1(64.64,82.17) v1(65.79,82.17) 65.91,82.17 v1(69.98,78.11) ; v3(73.84,37.54) v1(73.5,37.93) ; v3(101.8,60.36) v1(102.13,60.04) U3900.R11 ; v3(101.8,60.36) v7(101,59.66) ; v3(80.14,40.74) 79.78,41.1 ; v3(80.14,40.74) v1(80.49,41.14) v7(80.84,41.54) v7(81.54,42.34) v1(81.82,42.08) v3(82.24,41.54) ; v7(96.2,65.26) v1(95.77,65.58) v7(95.4,65.96) ; v7(96.2,65.26) 96.6,64.91 ; v7(97,62.46) v1(97.38,62.79) v7(97.8,62.46) v3(97.39,61.93) v7(97,62.46) ; v7(97,62.46) 96.77,62.23 96.42,62.23 v3(96.2,62.46) ; v1(98.96,60.03) v3(99.4,59.66) ; v3(99.4,59.66) v7(100.2,60.36) ; v3(99.4,59.66) v3(100.2,58.96) v7(101,59.66) ; v3(70.34,43.94) v1(70.71,44.29) v7(71.04,44.74) ; v3(70.34,43.94) v1(69.95,43.53) ; v3(70.34,43.94) v1(70.71,43.57) v7(71.04,43.14) v1(71.36,43.57) v3(71.74,43.94) v1(72.05,43.55) v7(72.4,43.19) v7(73.14,42.34) ; v3(96.2,62.46) v1(95.79,62.82) v7(95.4,62.46) ; v3(96.2,62.46) v3(95.93,62.27) v3(95.63,62.26) v7(95.4,62.46) ; v3(101,61.06) v3(101.45,61.04) ; v3(101,61.06) 100.72,60.82 ; v3(101,61.06) v1(100.54,61.66) ; v3(101.45,61.04) v3(101,61.76) v1(100.54,61.66) ; v1(106.25,60.94) 106.78,61.47 107.31,61.47 ; v1(106.25,60.94) 106.25,60.37 106.81,59.82 106.81,59.2 v1(106.98,59.03) ; v1(106.25,60.94) 107.13,60.06 v1(107.13,59.76) ; v3(101.66,54.88) 101.66,54.44 101.63,54.41 ; v7(72.44,39.94) v7(73.14,39.14) ; v1(106.52,63.68) 107.5,63.68 ; v1(106.52,63.68) v3(105.8,63.86) ; v1(106.52,63.68) v1(106.18,62.81) ; 100.72,60.82 v7(100.2,61.06) ; 100.72,60.82 v7(100.2,60.36) ; v7(95.4,62.46) 95.3,62.36 94.7,62.36 v7(94.6,62.46) v1(94.23,62.75) ; U3901.AB11 67.75,36.25 v1(67.75,35.99) 67.37,35.99 v3(67.07,35.7) ; U3901.AB11 66.41,36.74 v3(66.12,37.02) ; U3901.AB11 67.72,37.25 v3(66.94,37.25) v3(66.55,37.25) ; v1(77.68,36.36) v7(78.04,36.74) ; v1(77.68,36.36) v1(78.37,36.33) v7(78.04,36.74) ; v1(77.68,36.36) v7(77.34,35.94) ; v7(78.04,36.74) v1(77.69,37.14) v7(77.34,37.54) ; v7(104.2,58.26) v7(105,57.56) ; v7(104.2,58.26) v7(105,58.96) ; v7(104.2,58.26) v1(103.82,58.03) ; v7(105,57.56) v7(105.8,58.26) ; v7(105,57.56) v1(104.57,57.26) ; v1(96.69,60.61) v3(96.2,61.06) v3(96.57,61.08) v7(97,61.06) v1(96.69,60.61) ; v1(96.69,60.61) U3900.P4 ; U3900.AA4 96.6,55.79 ; U3900.AA4 v3(97.27,55.87) v7(97.8,55.46) v1(97.39,55.18) v1(96.71,54.82) v3(96.41,54.99) v3(95.84,54.22) ; U3900.AA4 v7(97.8,56.86) v1(98.16,57.23) U3900.W6 v3(99.4,57.56) v3(100.2,58.26) U3900.W9 v1(100.54,57.21) v7(100.2,56.86) v1(99.86,56.52) v3(100.2,56.16) v1(100.53,55.88) ; v7(102.6,69.46) 103.75,70.61 v1(103.75,70.69) ; v7(102.6,69.46) U3900.B12 v7(102.6,68.06) v1(102.14,67.56) v3(101.8,67.36) v1(101.37,67.44) v3(101,67.36) ; v7(102.6,69.46) v1(102.39,69.9) 102.39,70.71 v3(102.45,70.76) ; U3901.K7 v7(75.94,39.14) ; v1(94.21,60.86) v3(94.6,61.06) v3(95,60.87) v3(95,60.49) ; 70.1,84.07 70.1,78.23 v1(69.98,78.11) ; v1(70.06,34.05) v7(70.34,34.34) ; v7(70.34,34.34) v1(70.75,34.73) v3(71.04,35.14) v1(71.39,34.76) v3(71.74,34.34) ; v7(70.34,34.34) v3(71.04,33.54) ; v7(105.8,58.26) v1(106.27,58.03) ; v7(105.8,58.26) v7(105,58.96) ; v1(106.27,58.03) 106.74,58.5 v1(107.36,58.5) ; v1(106.27,58.03) 106.77,57.53 107.44,57.53 ; 96.6,64.91 v7(97,64.56) ; v7(97,64.56) v1(96.54,64.18) ; v7(97,64.56) v1(97.38,64.94) v3(97.8,65.26) ; v1(98.23,65.63) v3(97.8,65.26) ; v3(97.8,65.26) v7(98.6,64.56) ; v7(70.34,37.54) v1(70.22,37.94) v3(70.34,38.34) 70.74,37.97 v7(70.34,37.54) ; v7(73.14,42.34) 73.61,42.69 v1(73.63,42.69) ; v7(73.14,42.34) v1(73.63,41.99) 73.63,42 v3(73.84,42.34) v1(73.63,42.69) ; v7(75.94,39.14) v3(76.33,38.77) ; v7(75.94,39.14) v1(75.93,38.73) v7(75.94,38.34) ; v3(72.44,35.14) v1(72.08,34.69) v3(71.74,34.34) ; v7(101,59.66) v1(101.37,59.34) ; v7(101,59.66) v1(100.63,59.95) v7(100.2,60.36) ; v3(101,67.36) v1(100.54,67.72) v7(100.2,68.06) v7(100.2,68.76) v1(99.81,69.1) ; 73.35,33.06 73.91,32.5 73.91,32 ; 73.35,33.06 v3(73.84,33.54) ; 73.35,33.06 v1(73.01,33.06) 73.01,32.15 73.15,32 ; v1(81.87,38.75) v3(81.54,39.14) v1(81.19,38.74) v3(80.84,39.14) ; v1(100.54,61.66) v3(100.2,61.76) v1(99.74,61.66) v7(100.2,61.06) ; v1(100.54,61.66) v7(100.2,61.06) ; v3(100.2,63.86) 99.77,64.18 ; v3(100.2,63.86) v1(100.58,63.51) ; v3(100.2,63.86) v1(99.93,63.53) ; v3(102.92,53.78) 102.6,54.1 v7(102.6,55.46) 103.5,54.56 v3(103.5,54.24) ; v1(103.74,64.18) v3(104.2,63.86) ; v1(103.74,64.18) v7(103.4,63.86) ; v7(77.34,37.54) 76.96,37.21 v3(76.64,37.54) ; v7(77.34,37.54) v1(77,37.93) v3(76.64,37.54) ; v7(95.4,57.56) v7(96.2,58.26) v7(95.4,58.96) ; v7(95.4,57.56) v1(95.74,57.24) ; v7(82.24,36.74) v3(83.35,36.68) ; v7(82.24,36.74) v3(82.81,35.97) ; v7(82.24,36.74) v1(82.55,37.17) ; v3(71.74,34.34) v1(71.36,33.96) v3(71.04,33.54) ; v7(101.8,64.56) 102.14,64.2 ; v7(101.8,64.56) v1(101.39,63.51) ; v7(101.8,64.56) v7(101.8,63.86) v1(101.39,63.51) ; v3(60.2,51.94) 60.2,51.23 ; v1(103.85,60.77) v7(104.2,60.36) ; v1(103.85,60.77) v7(103.4,60.36) ; v1(103.85,60.77) v3(103.4,61.06) ; v1(103.85,60.77) v7(104.2,61.06) ; v7(80.14,34.34) v1(79.76,34.74) v3(79.44,35.14) v1(79.1,35.54) ; v7(80.14,34.34) v1(80.46,33.96) ; v7(80.14,34.34) v3(79.44,33.54) ; v1(73.63,42.69) U3901.N3 ; 99.77,64.18 v7(99.4,63.86) ; v1(73.49,35.52) v3(73.84,35.94) ; v1(106.18,62.81) 107.76,62.81 ; v1(106.18,62.81) v1(106.81,62.36) 108.08,62.36 ; v1(98.17,60) v7(97.8,59.66) v1(97.37,60) U3900.P4 ; v3(77.34,43.14) 77.72,43.43 v3(78.04,43.14) v1(77.66,42.74) ; v3(77.34,43.14) v1(77.66,42.74) ; v3(77.34,43.14) v1(76.93,42.72) ; v7(72.44,41.54) v1(72.77,41.2) v7(73.14,40.74) ; v7(100.2,60.36) v1(99.79,60.7) v7(100.2,61.06) ; U3900.P4 v7(96.2,59.66) v1(95.75,59.32) v7(95.4,58.96) ; 66.93,35.69 67.12,35.5 67.18,35.56 ; U3900.R11 v7(103.4,60.36) ; U3900.R11 102.22,59.33 ; U3900.R11 v1(102.93,59.32) ; v3(76.64,37.54) v1(76.29,37.94) v7(75.94,38.34) ; v7(96.2,66.66) v1(95.77,66.29) v7(95.4,65.96) ; v7(96.2,66.66) v3(95.4,67.36) ; v7(96.2,66.66) v1(96.52,66.97) ; v7(104.2,62.46) v1(103.77,62.84) v3(103.4,62.46) v1(103,62.82) v3(102.6,62.46) ; v1(77.66,42.74) v3(77.34,42.34) ; v3(79.44,33.54) v1(79.79,33.14) ; v3(79.44,33.54) v1(79.09,33.94) v3(78.74,34.34) v1(78.36,34.78) v3(78.04,35.14) v7(77.34,35.94) ; v7(75.24,33.54) v1(74.89,33.14) 74.93,33.09 74.93,31.88 ; v7(75.24,33.54) 75.56,33.21 75.56,32.13 ; 107.44,65.79 v3(106.67,65.79) v3(105.8,66.66) ; v3(78.69,76.76) v7(78.69,77.98) v7(78.69,78.99) v7(78.69,80.14) ; v1(100.58,63.51) v7(101,63.16) ; v1(100.58,63.51) v7(100.2,63.16) ; v7(101,63.16) v1(100.57,62.84) v7(100.2,63.16) ; v7(101,63.16) v1(101.39,63.51) ; v7(75.94,38.34) v1(75.59,37.96) ; v3(95.4,67.36) v1(94.99,67.67) ; v3(95.4,67.36) v3(94.6,66.66) ; v1(99.93,63.53) v7(99.4,63.16) ; v1(99.93,63.53) v7(100.2,63.16) ; v1(99.93,63.53) v7(99.4,63.86) ; 70.61,32 v3(70.61,33.11) v3(71.04,33.54) ; v7(97,68.76) v3(96.89,69.02) ; v7(95.4,65.96) v3(94.6,66.66) ; 103.63,52.58 103.76,52.7 ; v1(94.13,66.88) v3(94.6,66.66) ; v3(75.24,44.74) v1(75.01,44.33) v3(75.24,43.94) ; v1(76.93,42.72) v3(76.64,43.14) ; v1(76.93,42.72) v3(77.34,42.34) ; v3(100.87,54.68) 100.87,54.13 100.49,54.13 v3(100.46,54.1) ; v1(75.01,78.54) 74.29,79.25 74.29,89.64 ; v3(82.24,41.54) v1(82.75,41.64) ; v3(82.24,41.54) v3(83.15,40.57) ; v3(105.8,66.66) v1(106.15,67.01) v3(106.99,66.17) 107.44,66.17 ; v7(98.6,64.56) v7(99.4,63.86) ; v3(71.04,33.54) v1(71.23,33.06) 71.23,31.99 ; v7(77.34,35.94) v1(76.99,35.54) ; v1(76.99,33.14) v3(76.64,33.54) ; v3(70.34,39.94) v1(69.99,39.53) v3(69.64,39.14) ; v3(96.49,70.55) 96.65,70.4 ; v1(80.49,43.59) U3901.D2 ; U3901.D2 v1(79.8,44.31) v3(79.44,44.74) v3(78.74,43.94) v1(79.05,43.53) v3(79.44,43.14) v1(79.85,43.6) U3901.D2 ; v3(68.94,39.14) v1(68.62,38.71) ; v1(76.99,35.54) v3(76.64,35.14) v1(76.99,34.74) ; v1(76.99,35.54) v3(76.64,35.94) ; v1(94.22,64.1) v7(94.6,63.86) ; v7(72.44,36.74) v1(72.12,36.33)